# KiCad board cpu-blitter-inputs.kicad_pcb (continued)
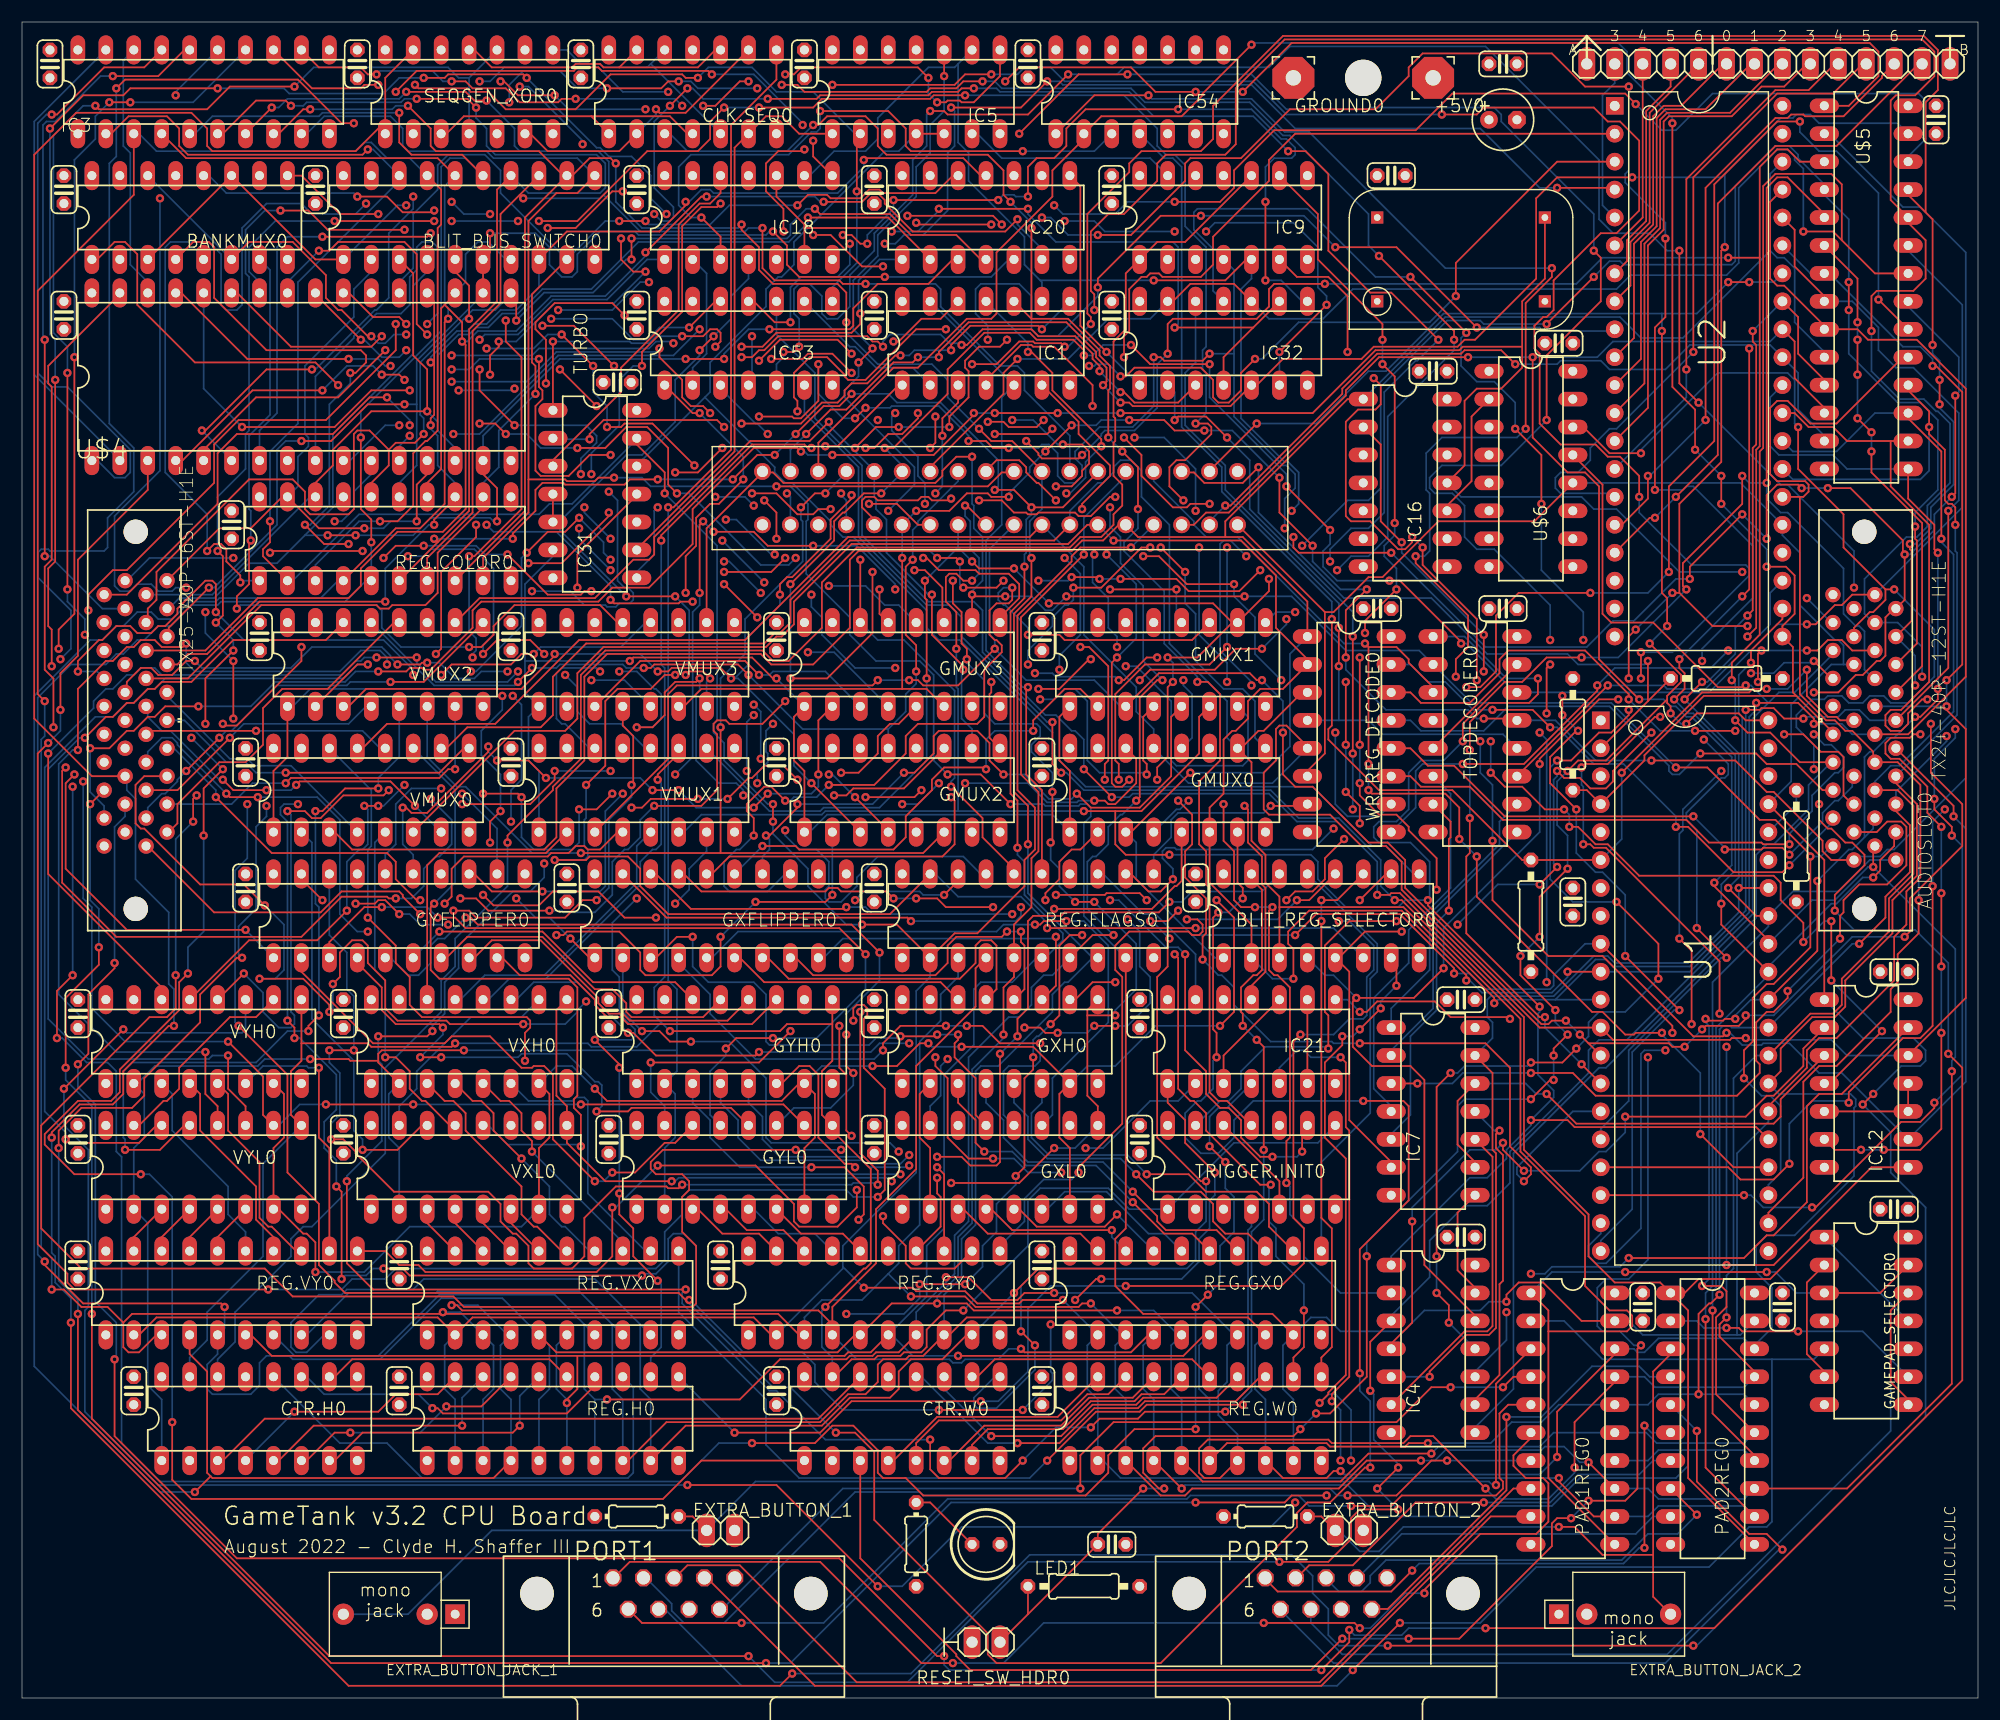
[diagram p0: board, top side]
## Routing (per net, layer and track width the routed paths; a pad name or vN(x,y) marks a point on that pad's centre or on a via; arc(x,y) is an arc through that point) (continued)
A15: length 102.1
  Top w0.152: v1(137.95,62.86) 131.29,69.53 131.29,76.52 131.6,76.83 v1(131.6,80.01) ; v1(131.6,86.2) 131.6,88.74 133.35,90.49 137,90.49 137.79,91.28 v1(137.79,92.71) ; v1(137.16,52.55) 140.49,52.55 141.13,51.91 157.64,51.91 U1.25
  Bottom w0.152: v1(131.6,80.01) v1(131.6,86.2) ; TOPDECODER0.1 131.13,96.52 134.94,92.71 v1(137.79,92.71) ; IC4.1 124.46,40.16 131.6,47.31 133.19,47.31 134.94,49.05 134.94,49.85 137.16,52.07 v1(137.16,52.55) 139.22,54.61 139.22,55.24 137.79,56.67 137.79,62.23 137.95,62.39 v1(137.95,62.86)
AUD_LFSR_X: length 55.8
  Top w0.152: v1(160.66,77.63) 158.27,77.63 158.12,77.79 153.35,77.79 151.29,79.85 134.62,79.85 131.6,82.87 127.16,82.87 126.21,83.82 WR_REG_DECODE0.11
  In2.Cu w0.152: AUDIOSLOT0.9 164.47,90.17 164.47,89.22 v1(162.88,87.63)
  Bottom w0.152: v1(160.66,77.63) 160.66,78.58 162.72,80.64 162.72,82.07 164.78,84.14 165.1,84.14 165.58,84.61 165.58,85.57 164.47,86.68 163.83,86.68 v1(162.88,87.63)
AUD_RESET: length 50.9
  Top w0.152: v1(160.66,75.72) 160.02,75.09 155.57,75.09 151.45,79.22 v1(150.34,79.22) ; v1(138.91,88.27) 137.32,89.85 v1(133.67,89.85)
  Bottom w0.152: WR_REG_DECODE0.15 126.21,93.98 127.79,92.39 129.38,92.39 131.92,89.85 v1(133.67,89.85) ; v1(138.91,88.27) 139.54,88.27 142.88,84.93 145.57,84.93 150.34,80.17 v1(150.34,79.22) ; v1(160.66,75.72) 164.47,79.53 164.47,80.01 AUDIOSLOT0.17
AUD_SAMP_RATE_SEL: length 51.2
  Top w0.152: v1(162.88,94.3) 164.47,92.71 AUDIOSLOT0.7 ; v1(143.19,92.07) 143.19,91.6 136.53,84.93 v1(130.97,84.93)
  In2.Cu w0.152: v1(157.16,93.19) v1(155.1,95.25)
  Bottom w0.152: v1(162.88,94.3) 162.72,94.14 160.18,94.14 159.23,93.19 v1(157.16,93.19) ; v1(143.19,92.07) 144.78,93.66 153.51,93.66 v1(155.1,95.25) ; v1(130.97,84.93) 127.32,84.93 126.68,84.3 126.68,80.96 WR_REG_DECODE0.9
AUD_SQ2_N: length 46.5
  Top w0.152: AUDIOSLOT0.15 163.67,82.55 161.29,84.93 158.59,84.93 157.64,85.88 v1(152.56,85.88)
  Bottom w0.152: v1(152.56,85.88) 150.65,83.98 150.02,83.98 149.7,84.3 149.7,84.77 144.3,90.17 135.1,90.17 132.87,87.95 127.16,87.95 126.21,88.9 WR_REG_DECODE0.13
AUD_SQ2_X: length 50.3
  Top w0.152: v1(160.66,76.68) 160.02,77.31 158.27,77.31 158.12,77.15 v1(154.78,77.15) ; v1(151.92,80.17) 134.78,80.17 130.18,84.77 127.79,84.77 126.21,86.36 WR_REG_DECODE0.12
  Bottom w0.152: v1(160.66,76.68) 163.67,79.69 163.67,80.49 164.78,81.6 165.1,81.6 166.37,82.87 166.37,83.82 AUDIOSLOT0.14 ; v1(151.92,80.17) 154.78,77.31 v1(154.78,77.15)
BE: length 4.9
  Bottom w0.152: R5.1 161.29,81.28 U1.36
CLK3_5: length 549.7
  Top w0.152: v1(168.28,54.93) v1(167.32,53.97) ; 118.43,98.74 118.43,85.88 116.84,84.3 WR_REG_DECODE0.6 ; 118.43,98.74 U$3.P$18 ; 118.43,98.74 119.22,98.74 122.4,101.92 123.67,101.92 128.75,107 137.48,107 U$6.12 ; v1(4.44,34.13) 4.44,26.35 29.69,1.11 68.9,1.11 v1(70.01,2.22) ; IC12.1 163.83,76.2 U1.37 ; v1(151.92,4.76) v1(124.14,4.76) ; SEQGEN_XOR0.13 33.02,147.32 33.02,143.35 ; 33.02,143.35 30.32,140.65 17.3,140.65 16.83,141.13 16.83,142.72 15.4,144.14 4.92,144.14 1.11,140.33 1.11,89.06 6.35,83.82 J2.6 ; 33.02,143.35 SEQGEN_XOR0.1 ; v1(13.81,61.12) 13.33,61.12 9.21,56.99 9.21,54.93 8.25,53.97 5.24,53.97 2.7,51.44 v1(2.7,50.96)
  Bottom w0.152: 165.58,93.98 AUDIOSLOT0.6 ; 165.58,93.98 165.58,95.73 165.1,96.2 164.78,96.2 161.61,99.38 161.61,104.14 160.02,105.73 U2.25 156.21,110.49 U$6.12 ; 165.58,93.98 164.47,93.98 160.81,90.33 160.81,83.34 U1.37 ; v1(2.7,50.96) 2.7,40.48 3.02,40.16 3.02,37.78 4.44,36.35 v1(4.44,34.13) ; IC12.1 167.32,60.01 171.93,60.01 173.04,58.9 173.04,57.94 172.56,57.47 170.81,57.47 v1(168.28,54.93) ; v1(151.92,4.76) 152.24,4.76 173.04,25.56 173.04,44.61 169.86,47.78 169.86,51.44 v1(167.32,53.97) ; v1(13.81,61.12) 13.81,64.45 13.33,64.93 13.33,71.44 10.32,74.45 10.32,81.76 9.52,82.55 9.52,83.82 J2.6 ; v1(124.14,4.76) 119.7,4.76 118.75,5.72 118.75,8.1 117.32,9.53 117.32,11.11 115.41,13.02 91.6,13.02 80.8,2.22 v1(70.01,2.22)
CLK7: length 444.1
  Top w0.152: v1(6.19,81.28) 7.46,82.55 J2.5 ; U$6.13 143.67,110.33 143.67,98.58 144.46,97.79 148.27,97.79 154.15,91.92 156.53,91.92 v1(156.69,92.07) ; v1(125.09,20.95) v1(123.19,19.05) ; v1(114.3,12.38) 118.75,12.38 120.81,14.45 120.81,16.35 121.6,17.14 v1(125.09,17.14) ; v1(24.77,146.53) 18.89,146.53 16.83,144.46 6.98,144.46 v1(6.67,144.78) ; v1(6.98,68.26) 6.98,66.67 3.97,63.66 v1(3.97,57.31) ; v1(4.13,100.81) v1(4.13,120.49) ; v1(66.04,3.81) 27.94,3.81 6.35,25.4 v1(6.35,34.92) ; IC4.3 122.56,32.38 v1(122.56,27.94)
  In1.Cu w0.152: J2.5 7.62,82.55 6.51,83.66 6.51,85.41 6.83,85.72 6.83,86.68 6.51,86.99 6.51,87.47 5.72,88.27 v1(5.72,96.68)
  Bottom w0.152: v1(6.35,34.92) 6.35,53.82 3.97,56.2 v1(3.97,57.31) ; 158.75,90.49 157.32,89.06 157.32,71.28 145.89,59.85 143.35,59.85 142.4,58.9 142.4,56.83 135.25,49.69 135.25,46.83 133.19,44.77 131.13,44.77 127.95,41.59 127.95,38.26 124.46,34.77 IC4.3 ; 158.75,90.49 159.7,91.44 161.13,91.44 164.47,94.77 164.47,95.25 AUDIOSLOT0.5 ; 158.75,90.49 157.16,92.07 v1(156.69,92.07) ; v1(5.72,96.68) 5.72,98.11 4.13,99.69 v1(4.13,100.81) ; v1(4.13,120.49) 4.13,122.87 2.86,124.14 2.86,142.08 5.56,144.78 v1(6.67,144.78) ; v1(125.09,20.95) 125.09,21.27 122.87,23.5 122.87,27.62 v1(122.56,27.94) ; v1(123.19,19.05) v1(125.09,17.14) ; v1(6.98,68.26) 6.98,71.75 6.19,72.55 v1(6.19,81.28) ; SEQGEN_XOR0.10 40.64,147.32 ; 40.64,147.32 39.69,147.32 38.73,148.27 26.51,148.27 v1(24.77,146.53) ; 40.64,147.32 SEQGEN_XOR0.4 ; v1(66.04,3.81) 68.42,1.43 80.49,1.43 91.44,12.38 v1(114.3,12.38)
CLK14: length 400.8
  Top w0.152: 169.39,100.81 v1(170.18,100.81) ; 169.39,100.81 169.39,99.85 168.28,98.74 167.96,98.74 166.53,97.31 166.53,96.52 AUDIOSLOT0.4 ; 169.39,100.81 165.58,104.62 165.58,107.63 161.45,111.76 v1(161.45,115.57) ; v1(118.11,2.54) 120.65,5.08 v1(120.65,6.19) ; U$6.14 141.92,115.57 144.3,113.19 v1(147.16,113.19) ; v1(164.78,71.6) 164.78,73.02 167.48,75.72 167.48,76.68 166.37,77.79 165.73,77.79 164.47,79.06 164.15,79.06 163.35,79.85 v1(163.35,81.28) ; v1(133.03,6.35) 153.83,6.35 176.37,28.89 176.37,57.31 v1(175.1,58.58) ; v1(8.41,66.83) 8.41,66.36 6.03,63.98 6.03,58.58 v1(5.08,57.63) ; v1(8.41,30.8) 8.41,23.81 19.53,12.7 74.29,12.7 83.19,3.81 v1(83.82,3.81)
  In2.Cu w0.152: v1(162.88,84.45) 163.35,83.98 v1(163.35,81.28)
  Bottom w0.152: v1(83.82,3.81) 83.82,3.02 84.3,2.54 v1(118.11,2.54) ; v1(164.78,71.6) 166.53,69.85 172.09,69.85 175.1,66.83 v1(175.1,58.58) ; v1(161.45,115.57) 161.13,115.89 161.13,119.86 160.5,120.49 154.15,120.49 147.16,113.51 v1(147.16,113.19) ; v1(8.41,66.83) 8.41,79.22 9.37,80.17 9.37,81.28 J2.4 ; v1(8.41,30.8) 8.57,30.96 8.57,34.13 6.67,36.04 6.67,53.97 5.08,55.56 v1(5.08,57.63) ; v1(120.65,6.19) 121.13,5.72 125.41,5.72 126.05,6.35 v1(133.03,6.35) ; v1(170.18,100.81) 173.83,97.16 173.83,92.87 171.45,90.49 169.86,90.49 169.23,91.12 167.96,91.12 167.32,90.49 166.05,90.49 165.42,91.12 164.15,91.12 163.83,90.8 162.72,90.8 161.29,89.38 161.29,88.27 162.88,86.68 v1(162.88,84.45)
CLK28: length 225.2
  Top w0.152: v1(99.85,116.84) 117.32,116.84 123.03,122.55 130.65,122.55 130.97,122.87 136.37,122.87 ; v1(16.03,90.17) 13.02,90.17 12.06,89.22 11.43,89.22 10.16,87.95 9.52,87.95 7.94,86.36 v1(6.19,86.36) ; v1(70.8,113.35) 70.48,113.66 66.52,113.66 60.96,108.11 60.96,104.93 56.99,100.96 53.66,100.96 52.39,99.69 41.75,99.69 40.96,98.9 40.96,97.31 37.15,93.5 36.51,93.5 36.35,93.66 35.24,93.66 34.92,93.34 v1(32.38,93.34) ; U$2.P$4 138.43,129.06 136.37,127 136.37,122.87 ; v1(73.66,113.03) 82.87,113.03 86.52,116.68 v1(86.52,116.84) ; 136.37,122.87 136.37,120.97 134.46,119.06 132.24,119.06 131.13,117.95 131.13,112.08 IC16.11 ; v1(94.14,116.84) v1(88.42,116.84)
  In2.Cu w0.152: v1(162.24,100.01) 161.93,100.33 158.43,100.33 v1(156.37,102.39)
  Bottom w0.152: v1(70.8,113.35) 71.12,113.35 71.44,113.03 v1(73.66,113.03) ; v1(6.19,86.36) 6.19,82.39 7.46,81.12 7.46,80.01 J2.3 ; v1(99.85,116.84) v1(94.14,116.84) ; v1(162.24,100.01) 164.47,97.79 AUDIOSLOT0.3 ; v1(32.38,93.34) 30.32,93.34 29.37,92.39 23.02,92.39 20.8,90.17 v1(16.03,90.17) ; v1(156.37,102.39) 150.65,102.39 144.94,108.11 142.88,108.11 141.76,109.22 130.81,109.22 IC16.11 ; v1(88.42,116.84) v1(86.52,116.84)
COLORFILL: length 92.2
  Top w0.152: GMUX3.14 v1(76.2,103.5) ; v1(83.82,147.48) IC5.10 ; v1(76.04,121.44) v1(77.31,122.71) ; v1(84.45,82.87) 87.31,80.01 87.31,78.26 90.17,75.41 REG.FLAGS0.16
  In1.Cu w0.152: v1(76.2,103.5) 78.74,106.04 v1(78.74,107.95)
  Bottom w0.152: v1(83.82,147.48) 83.82,144.3 82.55,143.03 82.55,140.49 81.28,139.22 81.28,136.52 77.79,133.03 77.79,131.13 75.56,128.91 75.56,124.46 v1(77.31,122.71) ; v1(84.45,82.87) 84.45,83.34 84.77,83.66 84.77,91.6 80.17,96.2 77.79,96.2 GMUX3.14 ; v1(78.74,107.95) 81.12,110.33 81.12,111.92 74.77,118.27 74.77,118.9 76.04,120.17 v1(76.04,121.44)
D0: length 586.2
  Top w0.152: v1(139.7,20) 139.7,19.69 142.88,16.51 PAD1REG0.12 ; v1(151.13,90.8) v1(152.72,92.39) ; v1(76.36,70.33) 79.53,70.33 REG.FLAGS0.2 84.77,69.53 86.84,69.53 91.12,73.82 91.12,76.2 92.07,77.15 92.07,80.96 90.49,82.55 90.49,98.42 95.41,103.35 95.41,103.82 96.2,104.62 v1(100.81,104.62) ; REG.VY0.2 10.64,33.02 12.22,34.61 37.78,34.61 REG.VX0.2 40.96,34.61 66.52,34.61 68.1,33.02 REG.GY0.2 ; U2.33 161.45,125.57 161.45,122.24 163.83,119.86 U$5.11 ; v1(157.32,124.3) 157.32,123.35 157.64,123.03 157.64,113.98 157.32,113.66 157.32,98.9 v1(156.84,98.42) ; IC31.13 55.88,113.98 58.42,111.44 v1(58.42,109.54) ; v1(76.52,37.31) 80.96,37.31 81.28,36.99 85.72,36.99 86.84,35.88 90.65,35.88 90.96,36.19 v1(94.62,36.19) ; U1.33 157.64,71.12 v1(155.1,73.66) ; REG.COLOR0.2 21.91,103.82 21.91,104.46 22.54,105.09 v1(22.54,107) ; v1(68.26,79.69) v1(68.26,81.28) ; v1(153.03,34.45) 153.03,20.95 PAD2REG0.12 ; IC3.2 8.1,142.24 9.68,143.83 13.18,143.83 14.29,142.72 14.29,141.13 15.08,140.33 30.96,140.33 v1(31.43,140.81)
  Bottom w0.152: PAD1REG0.12 147.8,16.51 148.75,17.46 156.53,17.46 PAD2REG0.12 ; REG.VX0.2 38.42,32.07 38.42,28.1 39.37,27.15 REG.H0.2 ; 74.61,39.21 74.61,39.05 REG.GY0.2 ; 74.61,39.21 74.61,41.12 81.28,47.78 81.28,64.29 82.55,65.56 REG.FLAGS0.2 ; 74.61,39.21 v1(76.52,37.31) ; v1(31.43,140.81) 31.91,140.81 BLIT_BUS_SWITCH0.18 34.29,137.95 25.08,128.75 25.08,115.89 22.54,113.35 v1(22.54,107) ; v1(156.84,98.42) 155.73,97.31 155.73,94.93 153.19,92.39 v1(152.72,92.39) ; v1(157.32,124.3) U2.33 ; REG.COLOR0.2 24.61,101.6 30.64,107.63 46.99,107.63 47.94,108.58 50.01,108.58 55.88,114.46 IC31.13 ; v1(58.42,109.54) 63.18,104.77 63.18,88.9 62.86,88.58 62.86,87.79 63.82,86.84 63.82,85.25 67.79,81.28 v1(68.26,81.28) ; v1(94.62,36.19) REG.GX0.2 96.84,32.07 96.84,28.1 97.79,27.15 REG.W0.2 98.27,21.59 99.85,20 v1(139.7,20) ; AUDIOSLOT0.40 167.96,76.2 165.1,73.34 160.97,73.34 U1.33 158.75,70.17 153.67,65.09 153.67,37.47 153.03,36.83 v1(153.03,34.45) ; v1(151.13,90.8) 156.05,85.88 156.05,74.61 v1(155.1,73.66) ; v1(76.36,70.33) 74.93,70.33 71.44,73.82 71.44,75.41 68.26,78.58 v1(68.26,79.69) ; v1(100.81,104.62) U$3.P$15
D1: length 642.5
  Top w0.152: 9.21,34.13 9.21,31.91 9.68,31.43 10.64,31.43 12.22,33.02 REG.VY0.3 ; 9.21,34.13 7.78,35.56 5.4,35.56 3.81,37.15 v1(2.7,37.15) ; 9.21,34.13 10,34.92 38.1,34.92 ; v1(153.83,74.14) 153.83,73.82 158.75,68.9 U1.32 ; v1(137.32,121.92) 137.32,114.62 140.49,111.44 142.08,111.44 143.35,110.17 143.35,94.46 v1(147,90.8) ; 38.1,34.92 68.74,34.92 70.64,33.02 REG.GY0.3 ; 38.1,34.92 v1(38.26,35.08) ; v1(175.42,56.99) 175.42,28.57 165.89,19.05 PAD2REG0.13 ; v1(80.8,36.51) 85.72,36.51 86.68,35.56 96.04,35.56 96.36,35.88 v1(97.16,35.88) ; v1(131.44,121.92) 123.35,121.92 120.33,118.9 120.33,118.43 109.7,107.79 107.63,107.79 106.52,106.68 U$3.P$16 ; REG.W0.3 103.5,18.41 105.73,18.41 106.36,19.05 119.7,19.05 122.24,21.59 v1(127.16,21.59) ; v1(142.4,21.43) PAD1REG0.13 ; IC3.3 10.16,136.68 1.43,127.95 1.43,91.28 v1(2.06,90.65) ; U$5.12 163.83,117.32 161.13,120.01 161.13,123.35 U2.32 ; AUDIOSLOT0.39 168.28,77.47 v1(168.28,75.56) ; BLIT_BUS_SWITCH0.17 38.1,137.16 38.1,133.98 37.78,133.67 37.78,115.25 36.83,114.3 36.67,114.3 35.56,113.19 35.56,108.43 34.13,107 v1(32.54,107)
  Bottom w0.152: 100.17,32.86 99.38,32.07 99.38,28.1 100.33,27.15 REG.W0.3 ; 100.17,32.86 REG.GX0.3 ; 100.17,32.86 v1(97.16,35.88) ; 78.74,38.58 v1(80.8,36.51) ; 78.74,38.58 76.36,36.19 72.71,36.19 71.12,34.61 REG.GY0.3 ; 78.74,38.58 79.69,39.53 79.69,41.12 81.6,43.02 81.6,59.69 83.5,61.59 83.5,63.98 85.09,65.56 REG.FLAGS0.3 ; v1(2.7,37.15) 2.7,40 1.75,40.96 1.75,87.15 2.06,87.47 v1(2.06,90.65) ; v1(142.4,21.43) 141.6,21.43 140.18,22.86 138.43,22.86 138.11,22.54 129.38,22.54 128.43,21.59 v1(127.16,21.59) ; PAD2REG0.13 156.53,18.1 148.75,18.1 147.8,19.05 PAD1REG0.13 ; IC3.3 10.64,142.24 12.22,140.65 30.32,140.65 31.11,141.45 31.75,141.45 33.18,140.02 35.24,140.02 BLIT_BUS_SWITCH0.17 ; v1(131.44,121.92) v1(137.32,121.92) 143.19,121.92 144.62,123.35 158.91,123.35 U2.32 ; v1(153.83,74.14) 155.42,75.72 155.42,85.57 151.76,89.22 151.29,89.22 150.34,90.17 149.86,90.17 149.22,90.8 v1(147,90.8) ; v1(175.42,56.99) 175.42,57.94 175.74,58.26 175.74,68.1 v1(168.28,75.56) 167.8,75.56 164.78,72.55 162.72,72.55 U1.32 ; v1(38.26,35.08) 39.85,35.08 REG.VX0.3 42.86,32.07 42.86,28.1 41.91,27.15 REG.H0.3 ; REG.COLOR0.3 26.67,103.03 30.64,107 v1(32.54,107)
D2: length 635.8
  Top w0.152: v1(90.81,31.75) 91.12,31.43 100.81,31.43 102.39,33.02 REG.GX0.4 ; v1(156.37,100.17) 157,100.81 v1(157,122.71) ; v1(109.38,108.43) 109.85,108.43 120.01,118.59 120.01,119.06 123.19,122.24 130.81,122.24 131.13,122.55 134.46,122.55 v1(135.73,121.28) ; PAD2REG0.14 157.48,22.07 153.67,25.88 v1(153.67,35.24) ; 73.66,33.97 REG.GY0.4 ; 73.66,33.97 72.39,35.24 40,35.24 39.53,35.72 v1(39.05,35.72) ; 73.66,33.97 73.66,35.56 77.63,39.53 77.63,44.45 81.28,48.1 81.28,57.47 86.68,62.86 86.68,66.36 REG.FLAGS0.4 ; REG.H0.4 42.86,20 17.3,20 17.14,20.16 ; U1.31 154.46,70.33 v1(154.46,72.23) ; REG.W0.4 v1(105.41,19.05) ; IC3.4 14.92,140.02 37.78,140.02 BLIT_BUS_SWITCH0.16 ; 17.14,20.16 16.83,20.48 16.83,29.69 15.24,31.27 REG.VY0.4 ; 17.14,20.16 v1(15.72,18.73) ; v1(150.65,94.46) 150.65,93.66 151.13,93.19 151.13,91.76 v1(150.18,90.8) ; v1(38.73,125.41) 38.42,125.09 38.42,108.58 36.19,106.36 33.97,106.36 REG.COLOR0.4 ; AUDIOSLOT0.38 170.18,78.74 170.18,77.47 168.91,76.2 168.91,75.25 v1(168.28,74.61)
  Bottom w0.152: v1(150.65,94.46) v1(156.37,100.17) ; 44.29,32.86 41.43,35.72 v1(39.05,35.72) ; 44.29,32.86 43.5,32.07 43.5,28.1 44.45,27.15 REG.H0.4 ; 44.29,32.86 REG.VX0.4 ; PAD1REG0.14 147.8,21.59 148.75,22.54 151.45,22.54 ; PAD2REG0.14 156.53,22.54 151.45,22.54 ; v1(153.67,35.24) 153.67,36.99 153.99,37.31 153.99,60.96 158.75,65.72 U1.31 158.75,66.52 164.47,72.23 164.94,72.23 167.32,74.61 v1(168.28,74.61) ; 151.45,22.54 151.45,21.11 150.34,20 141.6,20 139.06,17.46 133.51,17.46 132.56,16.51 123.35,16.51 120.49,19.37 105.73,19.37 v1(105.41,19.05) ; v1(154.46,72.23) 154.46,73.98 155.73,75.25 155.73,85.72 151.92,89.53 151.45,89.53 v1(150.18,90.8) ; REG.COLOR0.4 28.73,101.6 27.15,100.01 17.94,100.01 17.62,99.69 15.24,99.69 13.65,98.11 12.38,98.11 11.75,98.74 10.48,98.74 9.21,97.47 8.57,97.47 7.3,96.2 6.19,96.2 1.11,91.12 1.11,30.16 12.54,18.73 v1(15.72,18.73) ; 157,123.03 151.61,123.03 149.38,120.81 144.3,120.81 143.51,121.6 139.86,121.6 139.54,121.28 v1(135.73,121.28) ; 157,123.03 158.91,123.03 U2.31 161.45,120.49 161.45,117.16 163.83,114.78 U$5.13 ; 157,123.03 v1(157,122.71) ; REG.W0.4 102.87,27.15 101.92,28.1 101.92,32.07 REG.GX0.4 ; U$3.P$17 107.95,107 v1(109.38,108.43) ; v1(90.81,31.75) 89.69,31.75 88.74,30.8 85.72,30.8 85.41,30.48 84.61,30.48 84.3,30.8 75.88,30.8 REG.GY0.4 ; v1(38.73,125.41) 38.73,126.36 38.42,126.68 38.42,137.48 BLIT_BUS_SWITCH0.16
D3: length 579.7
  Top w0.152: v1(2.06,39.69) 2.06,39.37 5.56,35.88 18.1,35.88 v1(18.41,35.56) ; v1(30.8,114.62) 30.8,108.11 31.75,107.16 v1(31.75,105.09) ; v1(155.73,61.75) 154.78,61.75 154.62,61.59 153.19,61.59 v1(153.03,61.75) ; v1(96.52,103.98) 90.81,98.27 90.81,83.98 92.39,82.39 92.39,76.99 91.76,76.36 91.76,71.91 90.17,70.33 REG.FLAGS0.5 90.17,65.56 89.22,64.61 v1(89.22,60.32) ; BLIT_BUS_SWITCH0.15 40,140.33 35.4,140.33 34.29,141.45 v1(34.29,144.14) ; U$5.15 171.45,109.06 173.83,106.68 173.83,104.46 v1(174.15,104.14) ; v1(163.19,74.29) 163.19,67.94 U1.30 ; REG.VX0.5 48.58,31.43 74.14,31.43 75.72,33.02 REG.GY0.5 79.06,35.88 v1(83.19,35.88) 85.88,35.88 86.52,35.24 v1(99.54,35.24) ; v1(172.09,89.22) 172.56,89.22 174.15,90.8 v1(174.15,91.76) ; REG.W0.5 107.31,19.69 119.86,19.69 122.4,22.22 v1(128.11,22.22) ; v1(152.72,37.47) 154.46,37.47 154.94,36.99 154.94,35.56 153.99,34.61 153.99,27.62 PAD2REG0.15
  Bottom w0.152: REG.H0.5 46.99,27.15 47.94,28.1 47.94,32.07 REG.VX0.5 43.66,36.35 38.1,36.35 32.54,30.8 24.61,30.8 24.29,31.11 22.22,31.11 21.59,30.48 21.59,28.42 20.8,27.62 17.3,27.62 16.83,28.1 16.83,30.32 17.78,31.27 REG.VY0.5 18.41,33.66 v1(18.41,35.56) ; v1(128.11,22.22) 128.75,22.86 137.95,22.86 139.22,24.13 PAD1REG0.15 147.64,24.13 148.59,23.18 156.53,23.18 PAD2REG0.15 ; v1(31.75,105.09) REG.COLOR0.5 31.27,101.6 29.37,99.69 18.1,99.69 17.78,99.38 15.4,99.38 13.49,97.47 12.38,97.47 11.11,96.2 10.48,96.2 9.21,94.93 8.57,94.93 7.62,93.98 4.44,93.98 1.43,90.96 1.43,40.32 v1(2.06,39.69) ; BLIT_BUS_SWITCH0.15 40.32,140.02 38.89,140.02 38.1,139.22 38.1,124.3 30.8,117 v1(30.8,114.62) ; v1(155.73,61.75) 155.73,62.07 157.16,63.5 U1.30 ; v1(83.19,35.88) 83.19,36.51 85.09,38.42 85.09,41.91 86.36,43.18 86.36,57.15 89.22,60.01 v1(89.22,60.32) ; v1(152.72,37.47) 153.35,38.1 153.35,61.12 153.03,61.44 v1(153.03,61.75) ; v1(163.19,74.29) 166.05,77.15 166.37,77.15 167.48,78.26 ; 167.48,78.26 168.28,79.06 168.28,80.01 AUDIOSLOT0.37 ; 167.48,78.26 167.48,85.57 167.96,86.04 168.28,86.04 169.54,87.31 170.18,87.31 v1(172.09,89.22) ; v1(96.52,103.98) 96.52,107.31 100.33,111.12 U$3.P$32 ; REG.W0.5 105.41,27.15 104.46,28.1 104.46,32.07 105.25,32.86 ; U2.30 158.91,118.27 158.91,113.82 159.7,113.03 164.62,113.03 165.89,111.76 U$5.15 ; 105.25,32.86 102.87,35.24 v1(99.54,35.24) ; 105.25,32.86 REG.GX0.5 ; IC3.5 15.72,142.24 17.3,143.83 26.99,143.83 27.3,144.14 v1(34.29,144.14) ; v1(174.15,91.76) v1(174.15,104.14)
D4: length 553.4
  Top w0.152: 50.48,31.11 22.7,31.11 20.8,33.02 REG.VY0.6 ; 50.48,31.11 50.48,28.1 49.53,27.15 v1(49.53,26.83) ; 50.48,31.11 74.77,31.11 75.09,31.43 77.15,31.43 REG.GY0.6 ; v1(35.88,145.41) 40.48,145.41 v1(41.27,144.62) ; v1(90.49,77.31) 90.49,81.6 89.85,82.23 89.85,98.74 91.12,100.01 v1(91.12,102.87) ; v1(64.61,110.81) 66.83,113.03 v1(68.42,113.03) ; 169.86,114.3 U$5.16 ; 169.86,114.3 165.89,114.3 164.62,115.57 162.4,115.57 161.13,116.84 U2.29 ; 169.86,114.3 169.86,110.17 173.35,106.68 173.35,92.39 170.81,89.85 169.86,89.85 169.39,89.38 169.39,88.42 169.86,87.95 170.81,87.95 171.45,88.58 171.45,89.53 172.72,90.8 v1(173.2,90.8) ; v1(75.41,118.59) 74.29,117.47 72.87,117.47 v1(70.33,114.93) ; 37.78,105.09 40.64,107.95 40.64,124.46 43.18,127 43.18,137.16 BLIT_BUS_SWITCH0.14 ; 37.78,105.09 v1(37.47,105.41) ; 37.78,105.09 REG.COLOR0.6 ; U$3.P$31 97.79,111.44 94.62,108.27 v1(91.76,108.27) 90.17,109.85 v1(88.42,109.85) ; v1(167,68.58) 169.39,70.96 169.39,72.87 171.61,75.09 171.61,79.38 170.34,80.64 170.34,81.28 AUDIOSLOT0.36 ; v1(127.79,23.18) 126.05,23.18 125.73,22.86 118.9,22.86 118.59,23.18 109.54,23.18 REG.W0.6 ; v1(85.09,31.11) 105.57,31.11 107.47,33.02 REG.GX0.6 ; v1(57.78,110.81) 55.25,110.81 54.77,110.33 49.37,110.33 49.21,110.49 47.31,110.49 46.67,109.85 46.67,107.95 44.61,105.89 v1(44.61,105.41) ; IC3.6 18.26,142.24 21.27,145.26 23.97,145.26 v1(24.45,144.78) ; v1(152.4,27.62) 152.4,34.92 153.35,35.88 153.51,35.88 v1(154.31,36.67)
  In2.Cu w0.152: v1(174.94,87.47) 174.94,88.11 173.2,89.85 v1(173.2,90.8)
  Bottom w0.152: REG.GX0.6 107,32.07 107,28.1 107.95,27.15 REG.W0.6 ; 78.9,33.18 82.23,36.51 82.23,41.12 83.82,42.7 83.82,56.67 86.52,59.37 86.52,64.45 87.15,65.09 90.01,65.09 92.23,67.31 REG.FLAGS0.6 93.03,67.31 94.62,68.9 94.62,69.53 91.12,73.02 91.12,76.04 90.49,76.68 v1(90.49,77.31) ; 78.9,33.18 80.96,31.11 v1(85.09,31.11) ; 78.9,33.18 REG.GY0.6 ; v1(24.45,144.78) 25.56,144.78 25.88,145.1 34.45,145.1 34.77,145.41 v1(35.88,145.41) ; v1(91.12,102.87) 91.12,103.98 91.28,104.14 91.28,107.16 91.76,107.63 v1(91.76,108.27) ; AUDIOSLOT0.36 170.34,81.28 170.34,82.39 174.94,86.99 v1(174.94,87.47) ; v1(75.41,118.59) 78.74,118.59 79.53,117.79 83.5,117.79 88.74,112.55 88.74,110.17 v1(88.42,109.85) ; v1(70.33,114.93) v1(68.42,113.03) ; v1(41.27,144.62) 41.27,143.67 42.23,142.72 42.23,141.13 43.02,140.33 52.23,140.33 53.02,139.54 53.02,137.32 52.55,136.84 46.04,136.84 BLIT_BUS_SWITCH0.14 ; v1(64.61,110.81) v1(57.78,110.81) ; v1(127.79,23.18) 133.51,23.18 135.41,25.08 138.11,25.08 139.7,26.67 PAD1REG0.16 147.8,26.67 148.75,27.62 v1(152.4,27.62) 156.53,27.62 PAD2REG0.16 ; REG.VX0.6 48.58,32.07 48.58,28.1 49.53,27.15 v1(49.53,26.83) REG.H0.6 ; v1(154.31,36.67) 154.31,60.8 154.62,61.12 155.26,61.12 155.42,60.96 U1.29 166.37,68.58 v1(167,68.58) ; v1(44.61,105.41) v1(37.47,105.41)
D5: length 553.9
  Top w0.152: v1(99.22,69.37) 97.31,69.37 REG.FLAGS0.7 ; 45.24,136.68 43.5,134.94 43.5,126.84 40.96,124.3 40.96,107.79 36.83,103.66 REG.COLOR0.7 ; 45.24,136.68 BLIT_BUS_SWITCH0.13 ; 45.24,136.68 v1(45.56,136.37) ; PAD1REG0.17 144.78,28.73 141.13,25.08 v1(141.13,20.95) ; AUDIOSLOT0.35 170.5,82.55 171.93,81.12 171.93,74.93 169.7,72.71 169.7,69.69 165.42,65.41 165.42,63.02 164.62,62.23 162.56,62.23 U1.28 ; v1(133.03,19.05) 128.27,23.81 126.21,23.81 125.57,23.18 119.06,23.18 118.75,23.5 107.79,23.5 107,22.7 107,20.48 107.47,20 108.9,20 REG.W0.7 ; v1(76.68,128.59) 74.61,128.59 74.29,128.91 68.42,128.91 67.31,130.02 v1(67.31,133.67) ; v1(101.28,81.6) 101.6,81.91 101.6,90.96 103.19,92.55 v1(103.66,92.55) ; U$5.17 171.45,116.36 174.47,113.35 v1(174.47,105.41) ; v1(34.92,146.05) 40.32,146.05 41.12,145.26 v1(42.23,145.26) ; v1(93.82,36.83) 91.12,36.83 90.49,36.19 88.11,36.19 86.04,38.26 v1(83.98,38.26) ; PAD2REG0.17 157.48,29.69 154.31,32.86 154.31,33.97 v1(154.94,34.61) ; v1(22.7,144.62) IC3.7 ; v1(53.18,27.15) 65.25,27.15 68.9,30.8 74.93,30.8 75.25,31.11 77.31,31.11 77.63,31.43 79.69,31.43 REG.GY0.7
  In2.Cu w0.152: U$3.P$30 95.25,111.44 95.73,111.44 v1(98.9,108.27)
  Bottom w0.152: 52.86,136.68 53.34,137.16 53.34,139.7 52.39,140.65 45.24,140.65 44.77,141.13 44.77,142.72 v1(42.23,145.26) ; 52.86,136.68 56.2,133.35 65.72,133.35 66.04,133.67 v1(67.31,133.67) ; 52.86,136.68 52.55,136.37 v1(45.56,136.37) ; 110.33,32.86 106.36,36.83 v1(93.82,36.83) ; 110.33,32.86 109.54,32.07 109.54,28.73 108.74,27.94 108.74,25.72 110.49,23.97 REG.W0.7 ; 110.33,32.86 REG.GX0.7 ; 84.45,38.26 81.28,35.08 REG.GY0.7 ; 84.45,38.26 v1(83.98,38.26) ; 84.45,38.26 84.77,38.58 84.77,42.07 86.04,43.34 86.04,58.26 89.69,61.91 90.65,61.91 91.76,63.02 91.76,64.61 92.87,65.72 93.66,65.72 REG.FLAGS0.7 ; 52.07,27.15 REG.H0.7 ; 52.07,27.15 51.12,28.1 51.12,33.97 ; 52.07,27.15 v1(53.18,27.15) ; U$5.17 168.43,116.84 164.94,113.35 160.97,113.35 U2.28 ; v1(133.03,19.05) 133.98,18.1 138.75,18.1 141.13,20.48 v1(141.13,20.95) ; v1(101.28,81.6) 100.01,80.33 99.85,80.33 98.74,79.22 98.74,77.63 97.63,76.52 97.31,76.52 96.84,76.04 96.84,71.75 v1(99.22,69.37) ; AUDIOSLOT0.35 168.43,82.55 168.43,83.34 169.86,84.77 170.66,84.77 175.58,89.69 175.58,103.98 174.47,105.09 v1(174.47,105.41) ; v1(103.66,92.55) 101.92,94.3 101.92,101.12 99.85,103.19 99.85,105.57 98.9,106.52 v1(98.9,108.27) ; REG.VX0.7 51.12,33.97 ; 51.12,33.97 48.42,36.67 37.94,36.67 32.38,31.11 24.77,31.11 REG.VY0.7 ; U$3.P$30 95.25,114.78 91.12,118.9 91.12,120.49 90.49,121.13 88.9,121.13 83.5,126.52 83.5,128.11 83.03,128.59 v1(76.68,128.59) ; PAD2REG0.17 156.53,28.26 148.43,28.26 147.48,29.21 PAD1REG0.17 ; U1.28 157.64,58.42 155.57,56.36 155.57,39.05 154.94,38.42 v1(154.94,34.61) ; v1(34.92,146.05) 34.29,145.41 24.13,145.41 23.34,144.62 v1(22.7,144.62)
D6: length 532.6
  Top w0.152: REG.COLOR0.8 45.72,107.95 45.72,134.62 49.37,138.27 ; 49.37,138.27 46.99,140.65 37.62,140.65 37.15,141.13 37.15,142.72 v1(35.08,144.78) ; 49.37,138.27 BLIT_BUS_SWITCH0.12 50.01,138.43 51.59,140.02 53.5,140.02 v1(53.97,139.54) ; U$3.P$29 92.71,111.6 90.01,114.3 88.11,114.3 v1(87,115.41) ; v1(91.44,77.63) 91.44,81.12 90.17,82.39 90.17,98.58 91.76,100.17 v1(91.76,103.66) ; IC3.8 23.34,142.24 25.56,144.46 v1(26.19,144.46) ; REG.H0.8 55.09,21.59 58.58,25.08 72.55,25.08 75.09,27.62 76.68,27.62 77.79,28.73 77.79,30.32 78.26,30.8 80.33,30.8 80.65,31.11 81.91,31.11 REG.GY0.8 84.3,33.02 85.88,34.61 111.44,34.61 REG.GX0.8 ; v1(139.54,21.91) 139.54,26.03 144.78,31.27 PAD1REG0.18 ; U1.27 159.86,56.99 159.86,59.05 162.72,61.91 164.78,61.91 165.73,62.86 165.73,65.25 170.02,69.53 170.02,72.55 172.24,74.77 172.24,81.28 170.34,83.18 170.34,83.82 AUDIOSLOT0.34 ; v1(74.93,125.09) 74.93,127.79 74.14,128.59 68.26,128.59 66.99,129.86 66.99,131.92 65.41,133.51 v1(65.41,133.98) ; U$5.18 171.45,118.9 173.35,117 v1(173.35,115.57) 173.35,114.93 174.78,113.51 174.78,108.9 175.1,108.58 175.42,108.58 175.74,108.27 v1(175.74,106.68) ; REG.W0.8 114.62,20 118.59,20 119.22,20.64 v1(119.86,20.64)
  Bottom w0.152: v1(91.44,77.63) 91.44,73.18 97.31,67.31 ; 97.31,67.31 REG.FLAGS0.8 ; 97.31,67.31 95.09,65.09 94.77,65.09 93.66,63.98 93.66,62.39 88.74,57.47 87.15,57.47 86.68,56.99 86.68,43.02 85.41,41.75 85.41,38.26 83.82,36.67 REG.GY0.8 ; 157.32,31.91 PAD2REG0.18 ; 157.32,31.91 159.07,33.66 159.07,37.31 157.64,38.73 157.64,41.12 158.59,42.07 161.13,42.07 166.53,47.47 166.53,53.66 166.69,53.82 166.69,54.45 166.21,54.93 159.7,54.93 U1.27 ; 157.32,31.91 156.53,32.7 148.75,32.7 147.48,31.43 146.84,31.43 146.53,31.75 PAD1REG0.18 ; REG.H0.8 54.61,27.15 53.66,28.1 53.66,33.97 ; 53.66,33.97 50.64,36.99 37.78,36.99 37.62,36.83 29.69,36.83 25.88,33.02 REG.VY0.8 ; 53.66,33.97 REG.VX0.8 ; v1(91.76,103.66) 91.6,103.82 91.6,107 92.71,108.11 U$3.P$29 ; v1(53.97,139.54) 53.97,136.05 56.36,133.67 65.09,133.67 v1(65.41,133.98) ; v1(26.19,144.46) 33.66,144.46 33.97,144.78 v1(35.08,144.78) ; v1(173.35,115.57) 173.35,111.6 172.56,110.81 160.97,110.81 U2.27 ; v1(119.86,20.64) 120.17,20.32 137.95,20.32 v1(139.54,21.91) ; v1(87,115.41) 84.14,118.27 84.14,119.86 82.71,121.28 77.79,121.28 74.93,124.14 v1(74.93,125.09) ; AUDIOSLOT0.34 170.34,83.82 175.9,89.38 175.9,104.14 175.74,104.3 v1(175.74,106.68) ; REG.W0.8 113.03,27.15 112.08,28.1 112.08,32.07 REG.GX0.8